# Altium PCB DIOT_PSU_integrated.PcbDoc (part 2 of 3)
Units mm, origin at the board's own origin, x right, y up, seen from the top; angles counter-clockwise.
Board outline 219.8 x 100 mm, 2 copper layers (Top Layer, Bottom Layer), stack 1.69 mm thick; 166 components, 95 nets, 513 pads, 1167 vias.
Unrouted connection lines stored in the file: 2.
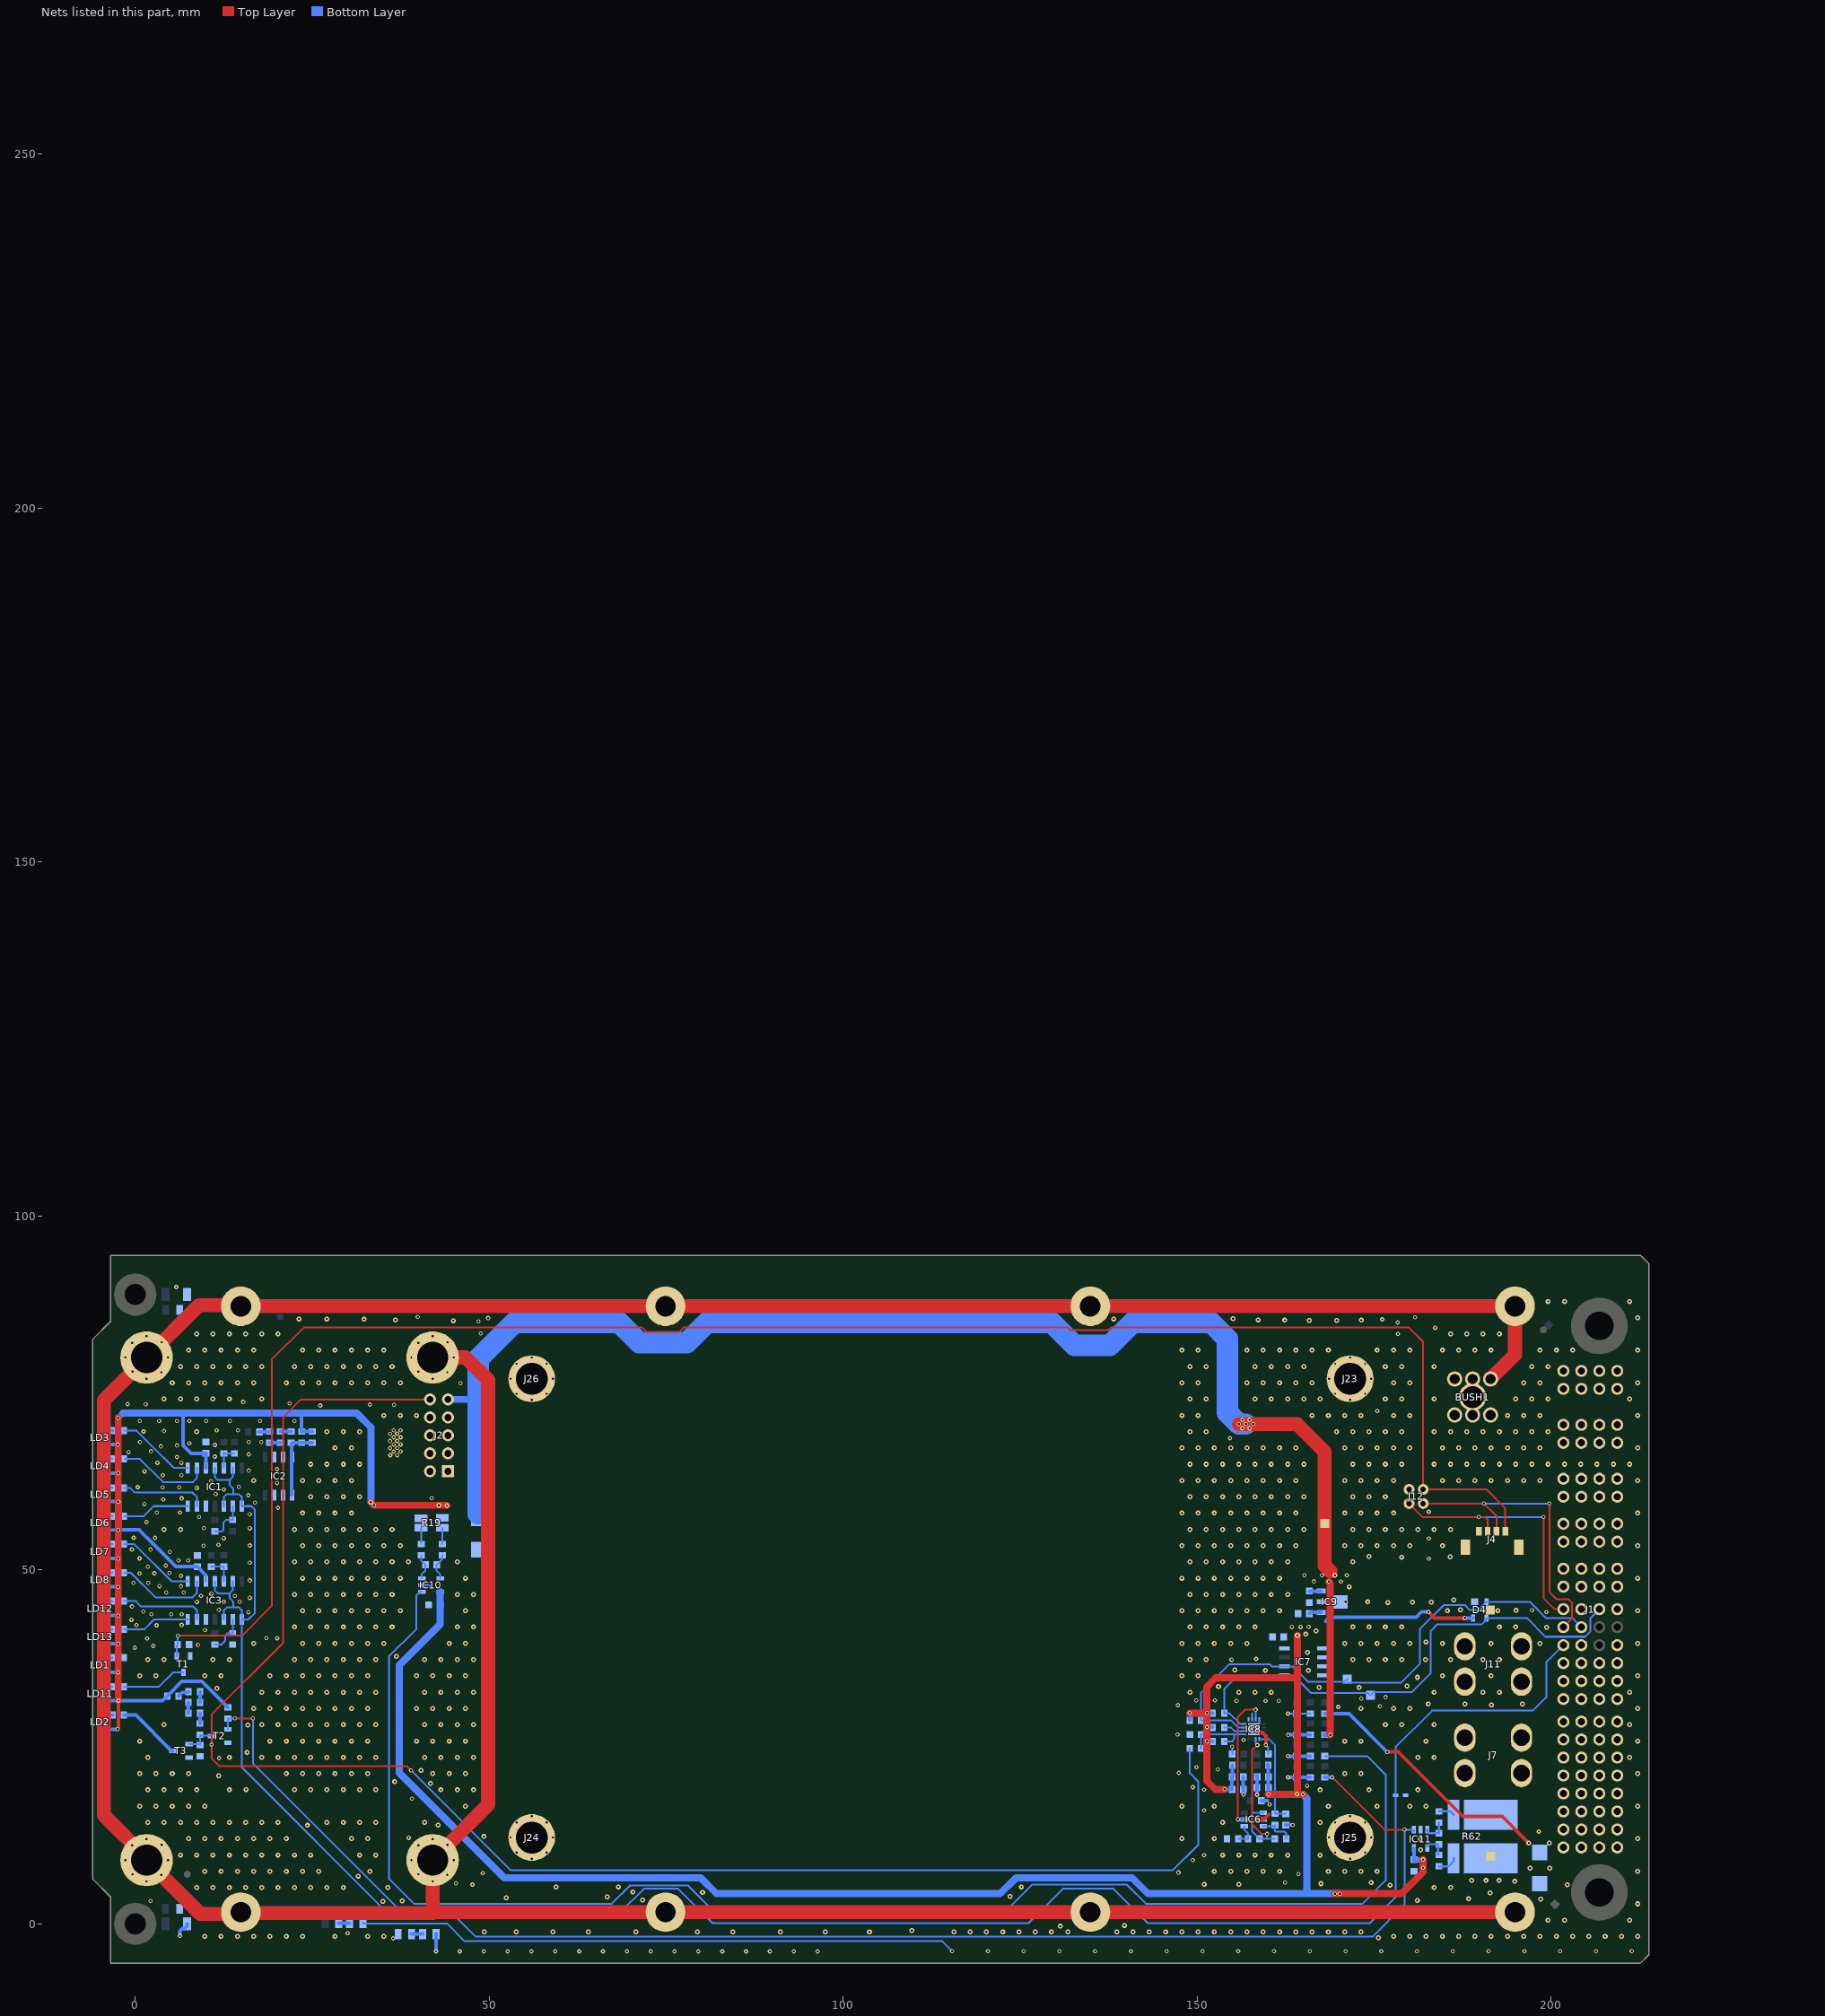
[diagram p2: the nets of this part, all layers, seen from the top]

## Via types
v1: diameter 0.7, hole 0.3, Top Layer to Bottom Layer, tented both sides, 723 vias
v2: diameter 0.6, hole 0.3, Top Layer to Bottom Layer, tented both sides, 288 vias
v3: diameter 0.7, hole 0.3, Top Layer to Bottom Layer, 131 vias
v4: diameter 0.6, hole 0.3, Top Layer to Bottom Layer, 20 vias
v5: diameter 0.6, hole 0.3, Top Layer to Bottom Layer, tented top, 5 vias

## Nets (pads, with @x,y where several pads share a name; then routed paths per layer and width w, separated by ;. In a path a pad name is that pad's centre, name@x,y a point inside that pad or via, vN(x,y) a via of type N, cw(c..) or ccw(c..) an arc to the next point about the centre after c; other vN are vias at no path point) (continued)
GND: C1.2 C2.2 C3.2 C4.2 C5.2 C12.2 C13.2 C14.1 C15.1 C16.2 C19.2 C20.1 C21.2 C22.2 C23.2 C26.2 C27.2 C28.2 C29.2 C30.2 C31.2 C34.2 D1.2 D3.2 D4.1 D5.2 IC1.12 IC2.2 IC2.3 IC2.6 IC2.7 IC3.12 IC6.2 IC7.1 IC7.2 IC7.3 IC7.4 IC8.5 IC8.6 IC8.8 IC8.17 IC9.2 IC10.2 IC11.2 J1.A1 J1.A3 J1.A5 J1.B6 J1.C1 J1.C3 J1.C5 J1.P6 J1.P7 J2.1 J2.2 J2.7 J2.8 J4.4 J4.5 J4.6 J11.1 J12.3 J23.1 J24.1 J25.1 J26.1 R1.2 R2.2 R3.1 R6.2 R28.2 R30.1 R33.1 R43.1 R54.1 R55.1 R56.1 R57.1 T1.2 T2.2 T3.2 TP5.1 | length 33.5
  Top Layer w0.508: v2(158.5,14.75) 159.406,14.75 160.078,15.422 ; v5(158.5,27) 159.222,27 159.7,26.522 v2(159.7,25.25)
  Bottom Layer w0.254: IC10.2@40.475,47.856 41.475,47.856 41.775,47.556 ; C5.2@154.95,24 v2(154.95,25.05) ; IC8.6@157.75,28.9 157.75,29.743 157.767,29.761 ; v5(158.5,28) 158.75,28.25 IC8.8@158.75,28.9 ; v2(159.7,25.25) 160.05,24.9 C31.2@160.05,24 ; v2(162.821,29.7) C30.2@164,29.7 R57.1@166,29.7
  Bottom Layer w0.5: v2(6.3,-1.689) 6.3,-1 6.65,-0.65 6.975,-0.65 7.3,-0.325 C1.2@7.3,0
  Bottom Layer w0.508: C14.1@156.509,19.002 C19.2@156.509,20.752 ; v2(156.55,18.25) C14.1@156.55,19.25 ; v2(158.45,18.225) C21.2@158.45,19.25 C20.1@158.45,21 ; v2(158.5,14.75) IC6.2@159.35,14.75 ; C23.2@159.05,17.375 159.9,17.375 ; C12.2@162.5,13.95 v2(163.5,13.95) ; v2(162.821,20.7) C27.2@164,20.7 R54.1@166,20.7 ; v2(162.821,23.7) C28.2@164,23.7 R55.1@166,23.7 ; v2(162.846,26.7) R56.1@166,26.7
  other v1: 175.593,-1.943 9.825,-1.775 12.125,-1.775 14.425,-1.775 16.725,-1.775 19.025,-1.775 21.325,-1.775 23.625,-1.775 28.225,-1.775 32.825,-1.775 35.125,-1.775 177.725,-1.775 180.025,-1.775 182.325,-1.775 184.625,-1.775 186.925,-1.775 189.225,-1.775 191.525,-1.775 193.825,-1.775 196.125,-1.775 198.425,-1.775 200.725,-1.775 203.025,-1.775 205.325,-1.775 207.625,-1.775 209.925,-1.775 212.225,-1.775 115.625,-1.145 117.925,-1.145 120.225,-1.145 122.525,-1.145 124.825,-1.145 127.125,-1.145 129.425,-1.145 131.725,-1.145 138.625,-1.145 140.925,-1.145 143.225,-1.145 145.525,-1.145 147.825,-1.145 150.125,-1.145 152.425,-1.145 154.725,-1.145 157.025,-1.145 159.325,-1.145 161.625,-1.145 163.925,-1.145 166.225,-1.145 168.525,-1.145 170.825,-1.145 173.125,-1.145 199.575,0.525 201.875,0.525 211.075,0.525 212.225,2.825 8.675,5.125 10.975,5.125 13.275,5.125 15.575,5.125 17.875,5.125 20.175,5.125 22.475,5.125 24.775,5.125 27.075,5.125 29.375,5.125 183.475,5.125 185.775,5.125 9.825,7.425 12.125,7.425 14.425,7.425 16.725,7.425 19.025,7.425 21.325,7.425 23.625,7.425 25.925,7.425 152.425,7.425 154.725,7.425 157.025,7.425 159.325,7.425 161.625,7.425 168.525,7.425 170.825,7.425 173.125,7.425 175.425,7.425 212.225,7.425 6.375,9.725 8.675,9.725 10.975,9.725 13.275,9.725 15.575,9.725 17.875,9.725 20.175,9.725 22.475,9.725 24.775,9.725 31.675,9.725 33.975,9.725 153.575,9.725 155.875,9.725 158.175,9.725 160.475,9.725 162.775,9.725 167.375,9.725 7.525,12.025 9.825,12.025 12.125,12.025 14.425,12.025 16.725,12.025 19.025,12.025 21.325,12.025 30.525,12.025 32.825,12.025 147.825,12.025 152.425,12.025 212.225,12.025 49.231,12.331 42.779,13.929 1.775,14.325 4.075,14.325 6.375,14.325 8.675,14.325 10.975,14.325 13.275,14.325 15.575,14.325 17.875,14.325 20.175,14.325 27.075,14.325 29.375,14.325 31.675,14.325 33.975,14.325 40.875,14.325 153.575,14.325 167.375,14.325 0.625,16.625 2.925,16.625 5.225,16.625 7.525,16.625 9.825,16.625 46.625,16.625 147.825,16.625 152.425,16.625 168.525,16.625 175.425,16.625 180.025,16.625 182.325,16.625 212.225,16.625 1.775,18.925 4.075,18.925 6.375,18.925 8.675,18.925 13.275,18.925 43.175,18.925 45.475,18.925 47.775,18.925 167.375,18.925 174.275,18.925 181.175,18.925 22.475,18.948 24.775,18.948 27.075,18.948 29.375,18.948 31.675,18.948 33.975,18.948 15.631,18.981 41.716,19.846 11.794,20.894 0.625,21.225 2.925,21.225 5.225,21.225 7.525,21.225 21.325,21.225 23.625,21.225 25.925,21.225 28.225,21.225 30.525,21.225 32.825,21.225 42.025,21.225 44.325,21.225 46.625,21.225 170.825,21.225 173.125,21.225 212.225,21.225 40.379,21.671 1.775,23.525 13.275,23.525 17.875,23.525 20.175,23.525 22.475,23.525 24.775,23.525 27.075,23.525 29.375,23.525 31.675,23.525 33.975,23.525 40.875,23.525 43.175,23.525 45.475,23.525 47.775,23.525 181.175,23.525 183.475,23.525 211.075,23.525 0.625,25.825 19.025,25.825 21.325,25.825 23.625,25.825 25.925,25.825 28.225,25.825 30.525,25.825 32.825,25.825 39.725,25.825 42.025,25.825 44.325,25.825 46.625,25.825 170.825,25.825 173.125,25.825 182.325,25.825 212.225,25.825 4.075,28.125 17.875,28.125 20.175,28.125 22.475,28.125 24.775,28.125 27.075,28.125 29.375,28.125 31.675,28.125 33.975,28.125 40.875,28.125 43.175,28.125 45.475,28.125 47.775,28.125 176.575,28.125 178.875,28.125 183.475,28.125 211.075,28.125 16.725,30.425 19.025,30.425 21.325,30.425 23.625,30.425 25.925,30.425 28.225,30.425 30.525,30.425 32.825,30.425 39.725,30.425 42.025,30.425 44.325,30.425 46.625,30.425 173.125,30.425 177.725,30.425 180.025,30.425 212.225,30.425 17.875,32.725 20.175,32.725 22.475,32.725 24.775,32.725 27.075,32.725 29.375,32.725 31.675,32.725 33.975,32.725 40.875,32.725 43.175,32.725 45.475,32.725 47.775,32.725 148.975,32.725 155.875,32.725 158.175,32.725 160.475,32.725 183.475,32.725 190.375,32.725 192.675,32.725 211.075,32.725 11.53,33.28 0.625,35.025 2.925,35.025 9.825,35.025 12.125,35.025 19.025,35.025 21.325,35.025 23.625,35.025 25.925,35.025 28.225,35.025 30.525,35.025 32.825,35.025 39.725,35.025 42.025,35.025 44.325,35.025 46.625,35.025 147.825,35.025 150.125,35.025 184.625,35.025 191.525,35.025 212.225,35.025 1.775,37.325 4.075,37.325 10.975,37.325 13.275,37.325 22.475,37.325 24.775,37.325 27.075,37.325 29.375,37.325 31.675,37.325 33.975,37.325 40.875,37.325 43.175,37.325 45.475,37.325 47.775,37.325 148.975,37.325 151.275,37.325 171.975,37.325 174.275,37.325 176.575,37.325 178.875,37.325 185.775,37.325 190.375,37.325 192.675,37.325 16.725,39.625 23.625,39.625 25.925,39.625 28.225,39.625 30.525,39.625 32.825,39.625 35.125,39.625 44.325,39.625 46.625,39.625 147.825,39.625 150.125,39.625 152.425,39.625 154.725,39.625 157.025,39.625 170.825,39.625 173.125,39.625 175.425,39.625 177.725,39.625 180.025,39.625 184.625,39.625 191.525,39.625 198.425,39.625 212.225,39.625 22.475,41.925 24.775,41.925 27.075,41.925 29.375,41.925 31.675,41.925 33.975,41.925 36.275,41.925 45.475,41.925 47.775,41.925 148.975,41.925 151.275,41.925 153.575,41.925 155.875,41.925 158.175,41.925 171.975,41.925 174.275,41.925 176.575,41.925 178.875,41.925 192.675,41.925 194.975,41.925 23.625,44.225 25.925,44.225 28.225,44.225 30.525,44.225 32.825,44.225 35.125,44.225 37.425,44.225 46.625,44.225 147.825,44.225 150.125,44.225 152.425,44.225 154.725,44.225 157.025,44.225 159.325,44.225 161.625,44.225 212.225,44.225 22.475,46.525 24.775,46.525 27.075,46.525 29.375,46.525 31.675,46.525 33.975,46.525 36.275,46.525 45.475,46.525 47.775,46.525 148.975,46.525 151.275,46.525 153.575,46.525 155.875,46.525 158.175,46.525 160.475,46.525 162.775,46.525 23.625,48.825 25.925,48.825 28.225,48.825 30.525,48.825 32.825,48.825 35.125,48.825 37.425,48.825 46.625,48.825 147.825,48.825 150.125,48.825 152.425,48.825 154.725,48.825 157.025,48.825 159.325,48.825 161.625,48.825 212.225,48.825 22.475,51.125 24.775,51.125 27.075,51.125 29.375,51.125 31.675,51.125 33.975,51.125 36.275,51.125 38.575,51.125 45.475,51.125 148.975,51.125 151.275,51.125 153.575,51.125 155.875,51.125 158.175,51.125 160.475,51.125 162.775,51.125 171.975,51.125 23.625,53.425 25.925,53.425 28.225,53.425 30.525,53.425 32.825,53.425 35.125,53.425 37.425,53.425 147.825,53.425 150.125,53.425 152.425,53.425 154.725,53.425 157.025,53.425 159.325,53.425 161.625,53.425 163.925,53.425 170.825,53.425 173.125,53.425 175.425,53.425 177.725,53.425 180.025,53.425 184.625,53.425 212.225,53.425 4.075,55.725 6.375,55.725 22.475,55.725 24.775,55.725 27.075,55.725 29.375,55.725 31.675,55.725 33.975,55.725 36.275,55.725 148.975,55.725 151.275,55.725 153.575,55.725 155.875,55.725 158.175,55.725 160.475,55.725 162.775,55.725 165.075,55.725 171.975,55.725 174.275,55.725 176.575,55.725 178.875,55.725 181.175,55.725 183.475,55.725 185.775,55.725 23.625,58.025 25.925,58.025 28.225,58.025 30.525,58.025 147.825,58.025 150.125,58.025 152.425,58.025 154.725,58.025 157.025,58.025 159.325,58.025 161.625,58.025 163.925,58.025 170.825,58.025 173.125,58.025 175.425,58.025 177.725,58.025 212.225,58.025 24.775,60.325 27.075,60.325 29.375,60.325 31.675,60.325 148.975,60.325 151.275,60.325 153.575,60.325 155.875,60.325 158.175,60.325 160.475,60.325 162.775,60.325 165.075,60.325 171.975,60.325 174.275,60.325 176.575,60.325 16.725,62.625 23.625,62.625 25.925,62.625 28.225,62.625 30.525,62.625 147.825,62.625 150.125,62.625 152.425,62.625 154.725,62.625 157.025,62.625 159.325,62.625 161.625,62.625 163.925,62.625 170.825,62.625 173.125,62.625 175.425,62.625 177.725,62.625 184.625,62.625 186.925,62.625 189.225,62.625 191.525,62.625 193.825,62.625 196.125,62.625 198.425,62.625 212.225,62.625 24.775,64.925 27.075,64.925 29.375,64.925 31.675,64.925 148.975,64.925 151.275,64.925 153.575,64.925 155.875,64.925 158.175,64.925 160.475,64.925 162.775,64.925 165.075,64.925 171.975,64.925 174.275,64.925 176.575,64.925 178.875,64.925 183.475,64.925 185.775,64.925 188.075,64.925 190.375,64.925 192.675,64.925 194.975,64.925 197.275,64.925 199.575,64.925 201.875,64.925 204.175,64.925 206.475,64.925 208.775,64.925 211.075,64.925 28.225,67.225 30.525,67.225 147.825,67.225 150.125,67.225 152.425,67.225 154.725,67.225 157.025,67.225 159.325,67.225 161.625,67.225 163.925,67.225 170.825,67.225 173.125,67.225 175.425,67.225 177.725,67.225 180.025,67.225 184.625,67.225 186.925,67.225 189.225,67.225 191.525,67.225 193.825,67.225 196.125,67.225 198.425,67.225 212.225,67.225 8.675,69.525 27.075,69.525 29.375,69.525 31.675,69.525 148.975,69.525 151.275,69.525 169.675,69.525 171.975,69.525 174.275,69.525 176.575,69.525 178.875,69.525 183.475,69.525 185.775,69.525 188.075,69.525 190.375,69.525 192.675,69.525 194.975,69.525 197.275,69.525 199.575,69.525 35.125,71.825 37.425,71.825 39.725,71.825 147.825,71.825 150.125,71.825 166.225,71.825 168.525,71.825 170.825,71.825 173.125,71.825 177.725,71.825 180.025,71.825 193.825,71.825 196.125,71.825 198.425,71.825 212.225,71.825 4.075,74.125 6.375,74.125 8.675,74.125 10.975,74.125 13.275,74.125 17.875,74.125 148.975,74.125 151.275,74.125 158.175,74.125 160.475,74.125 162.775,74.125 165.075,74.125 167.375,74.125 176.575,74.125 178.875,74.125 183.475,74.125 194.975,74.125 197.275,74.125 199.575,74.125 211.075,74.125 5.225,76.425 7.525,76.425 9.825,76.425 12.125,76.425 14.425,76.425 16.725,76.425 21.325,76.425 23.625,76.425 25.925,76.425 28.225,76.425 30.525,76.425 32.825,76.425 35.125,76.425 37.425,76.425 147.825,76.425 150.125,76.425 157.025,76.425 159.325,76.425 161.625,76.425 163.925,76.425 166.225,76.425 177.725,76.425 180.025,76.425 196.125,76.425 198.425,76.425 212.225,76.425 6.375,78.725 8.675,78.725 10.975,78.725 13.275,78.725 15.575,78.725 17.875,78.725 22.475,78.725 24.775,78.725 27.075,78.725 29.375,78.725 31.675,78.725 33.975,78.725 36.275,78.725 148.975,78.725 151.275,78.725 158.175,78.725 160.475,78.725 162.775,78.725 165.075,78.725 176.575,78.725 178.875,78.725 183.475,78.725 197.275,78.725 199.575,78.725 7.525,81.025 9.825,81.025 12.125,81.025 14.425,81.025 16.725,81.025 23.625,81.025 25.925,81.025 28.225,81.025 30.525,81.025 32.825,81.025 35.125,81.025 147.825,81.025 150.125,81.025 157.025,81.025 159.325,81.025 161.625,81.025 163.925,81.025 166.225,81.025 168.525,81.025 175.425,81.025 177.725,81.025 180.025,81.025 184.625,81.025 186.925,81.025 189.225,81.025 191.525,81.025 198.425,81.025 200.725,81.025 203.025,81.025 212.225,81.025 8.675,83.325 10.975,83.325 13.275,83.325 15.575,83.325 17.875,83.325 20.175,83.325 185.775,83.325 188.075,83.325 190.375,83.325 192.675,83.325 212.225,85.625 199.575,87.925 201.875,87.925 211.075,87.925
  other v2: 36.425,-2.05 30,-1.325 2.15,3.225 47.625,5.55 45.3,5.7 162.4,5.825 164.3,7.025 49.075,7.15 147.35,7.25 149.375,9 150.975,9.7 38.625,12.15 150.975,16.025 160.229,16.875 39.086,17.695 150.975,18.95 149.375,19.3 165.5,19.5 147.4,21.325 152.9,21.8 149.9,22.125 11.839,23.414 156.55,25.975 147.225,26.75 169.925,30.65 175.825,30.75 147.275,30.9 155.55,31.5 159.65,31.5 161.525,31.5 149.875,31.575 152.5,31.575 173.175,31.8 176.6,32.025 154.85,37.305 158.325,37.425 -0.075,39 2.525,39.263 8.85,39.42 1.675,40.3 20.05,40.35 18.5,40.375 9.838,41.5 3,42.175 0.15,42.22 6.55,42.225 -0.55,42.95 2.275,43.725 5.05,43.725 6.55,43.725 15.975,44.025 199.321,44.045 1.15,44.125 197.287,44.297 11.8,44.35 -0.47,44.826 8.695,45.486 12.505,45.5 14.745,45.5 170.975,45.5 16.175,46.05 14.075,46.312 9.275,46.325 10.75,46.625 4.375,46.85 6.825,46.85 6.475,47.675 3.425,47.7 1.85,48.15 -0.25,48.175 16.175,48.5 6.475,49.15 0.6,49.5 2.7,49.525 4.821,49.571 1.775,50.45 4.3,50.6 16.175,51 6.1,51.325 7.475,51.325 182.725,51.575 0.6,51.625 4.875,52.55 -0.475,52.875 2.15,52.875 9.625,53.425 16.175,53.45 11.75,53.558 182.725,54.45 12.5,54.483 -0.225,54.525 2.8,54.525 16.175,55.875 9.686,55.9 1.575,56.75 8.995,57.477 16.175,57.875 3.025,58.1 6.3,58.1 182.725,58.215 20.131,58.775 1.25,59.3 16.902,59.521 3.95,59.95 6.55,60.1 41.9,60.128 15.975,60.55 11.36,60.7 12.505,61.339 8.7,61.575 3.875,61.675 6.2,61.675 0.35,61.7 14.645,61.715 20.025,62.275 10.7,62.55 3.9,63.375 6.525,63.371 1.3,63.925 16.025,64.025 20.025,64.223 3.125,65.125 6.525,65.125 5.9,65.932 11.235,66 16.025,66.325 -0.95,66.65 2.2,66.75 3.625,67.45 5.9,67.575 11.235,67.649 7.625,67.875 0.675,68.05 16.025,68.05 17.791,68.05 154.6,68.597 1.175,69.55 4.05,69.6 14.5,69.716 11.5,69.725 0.625,71.05 3.375,71.05 5.9,71.05 7.625,71.05 10,71.05 13.375,71.05 17.6,71.05 22.5,71.05 175.437,72.424 26.125,73.225 36.55,73.325 33.15,73.35 1.475,73.4 -1.075,73.425 21.8,73.5 15.25,73.725 45.925,76.375 178.35,83.325 48.775,83.4 183.6,84.2 178.325,84.95 48.475,85.1 176.125,85.4 49.85,85.575 180.8,85.675 39.9,85.747 5.8,89.95
  other v3: 49.276,-1.145 53.775,-1.145 59,-1.145 64,-1.145 70.725,-1.145 79.375,-1.145 84.425,-1.145 91.125,-1.145 97.475,-1.145 103.7,-1.145 109.7,-0.95 130.65,-0.34 139.725,-0.225 34.995,3.184 37.7,3.25 181.075,3.3 71.668,3.344 198.55,3.475 188.35,3.528 52.425,3.675 66.675,3.8 123.575,3.875 191.35,4.375 80.125,4.45 70.3,4.5 35.65,5.125 59.45,5.2 68.225,5.225 125.175,5.225 177.244,5.479 202.25,5.525 150.975,5.575 155.875,5.6 167.475,5.675 174.55,5.825 31.47,6.748 33.15,7.4 181.555,10.437 181.555,11.999 24.301,13.918 36.65,20.075 15.8,24.2 15.908,28.074 191.575,30.925 182.65,31.05 187.825,31.05 195.95,31.075 172.85,33.375 167.225,33.4 153,33.51 179.625,33.6 181.075,34.825 159.65,35.811 165.698,35.811 155.3,35.875 182.225,37.35 36.86,37.762 165.561,38.326 182.3,39.825 199.351,41.91 185.325,44.25 192.475,44.25 195.025,44.275 187.198,44.35 176.925,45.4 183.049,45.419 180.425,45.45 174.1,45.475 186.225,45.75 178.875,51.8 185.75,51.851 174.275,51.9 44.925,85.2 165.85,85.25 169.7,85.25 162.375,85.275 173.175,85.275 36.75,85.3 158.6,85.325 32.325,85.4 23.125,85.45 27.05,85.45 138.225,85.45 155.075,85.475
  other v5: 157.5,27 158,27.5 157.5,28
I2C_SCL: D4.2 IC7.6 IC8.3 J1.C2 R49.1 TP1.1 | length 77.1
  Bottom Layer w0.254: IC8.3@156.6,27.75 155.75,27.75 154.75,28.75 R49.1@150.55,28.75 150.55,32.65 154.575,36.675 160.229,36.675 160.539,36.365 IC7.6@162.3,36.365 ; IC7.6@161.825,36.365 IC7.6@162.3,36.365 ; TP1.1@171.2,34.075 178.799,34.075 181.425,36.701 181.425,41.611 184.844,45.03 187.795,45.03 188.475,44.35 189.725,44.35 D4.2@190.875,45.5 196.975,45.5 199.315,43.16 203.01,43.16 J1.C2@204.26,41.91 ; TP1.1@171.2,34.575 170.827,34.202 165.623,34.202 163.46,36.365 IC7.6@162.3,36.365
I2C_SDA: D4.3 IC7.5 IC8.4 J1.B1 R48.1 TP2.1 | length 73.8
  Bottom Layer w0.254: IC8.4@156.6,28.25 156.063,28.25 154.563,29.75 R48.1@153.8,29.75 153.8,33.127 155.768,35.095 IC7.5@162.3,35.095 163.58,35.095 166.053,32.622 174.128,32.622 TP2.1@174.475,32.275 174.961,32.761 180.336,32.761 182.991,35.416 182.991,41.391 183.928,42.328 190.203,42.328 190.875,43 D4.3@190.875,43.2 196.55,43.2 199.19,40.56 204.828,40.56 205.56,41.293 205.56,43.167 205.539,43.189 J1.B1@206.8,44.45
I\N\T\: IC8.2 R50.1 | length 3
  Bottom Layer w0.254: R50.1@153.8,27.75 154.75,27.75 155.25,27.25 IC8.2@156.6,27.25
Isense1: IC1.4 IC1.6 IC1.8 IC1.10 IC3.4 IC3.6 IC3.8 IC3.10 IC11.1 R46.1 | length 268.4
  Top Layer w0.254: v2(169.075,20.7) 176.476,13.299 v2(179.288,13.299)
  Bottom Layer w0.254: IC3.4@11.235,48.4 11.235,47.1 11.635,46.7 13.345,46.7 ; IC1.4@11.235,64.4 11.235,63.1 11.635,62.7 13.345,62.7 ; IC3.10@12.505,43 12.505,44.27 12.935,44.7 13.835,44.7 ; IC1.10@12.505,59 12.505,60.27 12.935,60.7 13.835,60.7 ; IC3.6@13.775,48.4 13.775,47.13 13.345,46.7 ; IC1.6@13.775,64.4 13.775,63.13 13.345,62.7 ; IC11.1@180.605,13.023 180.605,13.126 180.432,13.299 v2(179.288,13.299) 179.288,2.713 174.75,-1.825 48.1,-1.825 45.45,0.825 36.325,0.825 15.045,22.105 IC3.8@15.045,43 ; 13.345,46.7 13.345,45.99 13.835,45.5 13.835,44.7 ; 13.345,62.7 13.345,61.99 13.835,61.5 13.835,60.7 ; 13.835,44.7 14.645,44.7 15.045,44.3 IC3.8@15.045,43 ; 13.835,60.7 14.645,60.7 15.045,60.3 IC1.8@15.045,59 16.38,59 16.902,58.478 16.902,43.928 15.973,43 IC3.8@15.045,43
  Bottom Layer w0.508: R46.1@168,20.7 v2(169.075,20.7)
Isense2: IC10.1 R51.1 | length 216.2
  Bottom Layer w0.254: IC10.1@40.475,46.906 40.225,46.906 39.675,46.356 39.675,41.6 35.825,37.75 35.825,6.4 39.375,2.85 67.3,2.85 69.875,5.425 78.05,5.425 81.825,1.65 122.8,1.65 126.67,5.52 140.077,5.52 142.747,2.85 173.35,2.85 176.625,6.125 176.625,21.075 174,23.7 R51.1@168,23.7
LED_1/8: LD13.1 R27.2 | length 1.9
  Bottom Layer w0.254: LD13.1@-5.1,41.56 -3.235,41.56 R27.2@-3.205,41.59
LED_2/8: LD12.1 R25.2 | length 1.9
  Bottom Layer w0.254: LD12.1@-5.1,45.58 -3.215,45.58 R25.2@-3.205,45.59
LED_3/8: LD8.1 R23.2 | length 1.9
  Bottom Layer w0.254: LD8.1@-5.1,49.6 -5.09,49.59 R23.2@-3.205,49.59
LED_4/8: LD7.1 R21.2 | length 1.9
  Bottom Layer w0.254: LD7.1@-5.1,53.62 -3.218,53.62 R21.2@-3.205,53.633
LED_5/8: LD6.1 R38.2 | length 1.9
  Bottom Layer w0.254: LD6.1@-5.1,57.64 -3.255,57.64 R38.2@-3.205,57.59
LED_6/8: LD5.1 R36.2 | length 1.9
  Bottom Layer w0.254: LD5.1@-5.1,61.66 -3.275,61.66 R36.2@-3.205,61.59
LED_7/8: LD4.1 R15.2 | length 1.9
  Bottom Layer w0.254: LD4.1@-5.1,65.68 R15.2@-3.205,65.68
LED_8/8: LD3.1 R7.2 | length 1.9
  Bottom Layer w0.25: LD3.1@-5.1,69.7 R7.2@-3.205,69.7
NetC12_1: C12.1 IC8.13 R18.1 | length 13.8
  Bottom Layer w0.254: IC8.13@158.75,26.1 160.15,26.1 161,25.25 R18.1@161,15.55 C12.1@162.5,15.55
NetC22_1: C22.1 IC8.1 R41.1 R47.1 | length 10.3
  Bottom Layer w0.254: R41.1@150.55,24.775 C22.1@150.55,26.75 155.25,26.75 ; R47.1@153.8,25.75 154.9,25.75 155.25,26.1 155.25,26.75 ; IC8.1@156.6,26.75 155.25,26.75
NetC24_1: C24.1 IC10.3 R59.1 | length 3.7
  Bottom Layer w0.254: R59.1@40.375,52.056 40.375,51.306 C24.1@40.975,50.706 40.975,49.906 40.475,49.406 IC10.3@40.475,48.806
NetC24_2: C24.2 IC10.4 R60.1 | length 3.8
  Bottom Layer w0.254: IC10.4@43.075,48.806 43.075,49.381 42.575,49.881 C24.2@42.575,50.706 43.375,51.506 R60.1@43.375,52.056
NetC32_1: C32.1 IC11.3 R63.1 | length 3.5
  Bottom Layer w0.3: IC11.3@182.505,13.294 182.505,13.049 182.747,12.807 184.15,12.807 R63.1@184.15,14.282
NetC32_2: C32.2 IC11.4 R64.1 | length 3.2
  Bottom Layer w0.3: IC11.4@182.382,10.986 182.542,10.986 182.805,11.249 184.027,11.249 R64.1@184.027,9.774